# Allegro board RV1126B_mainboard.brd (continued)
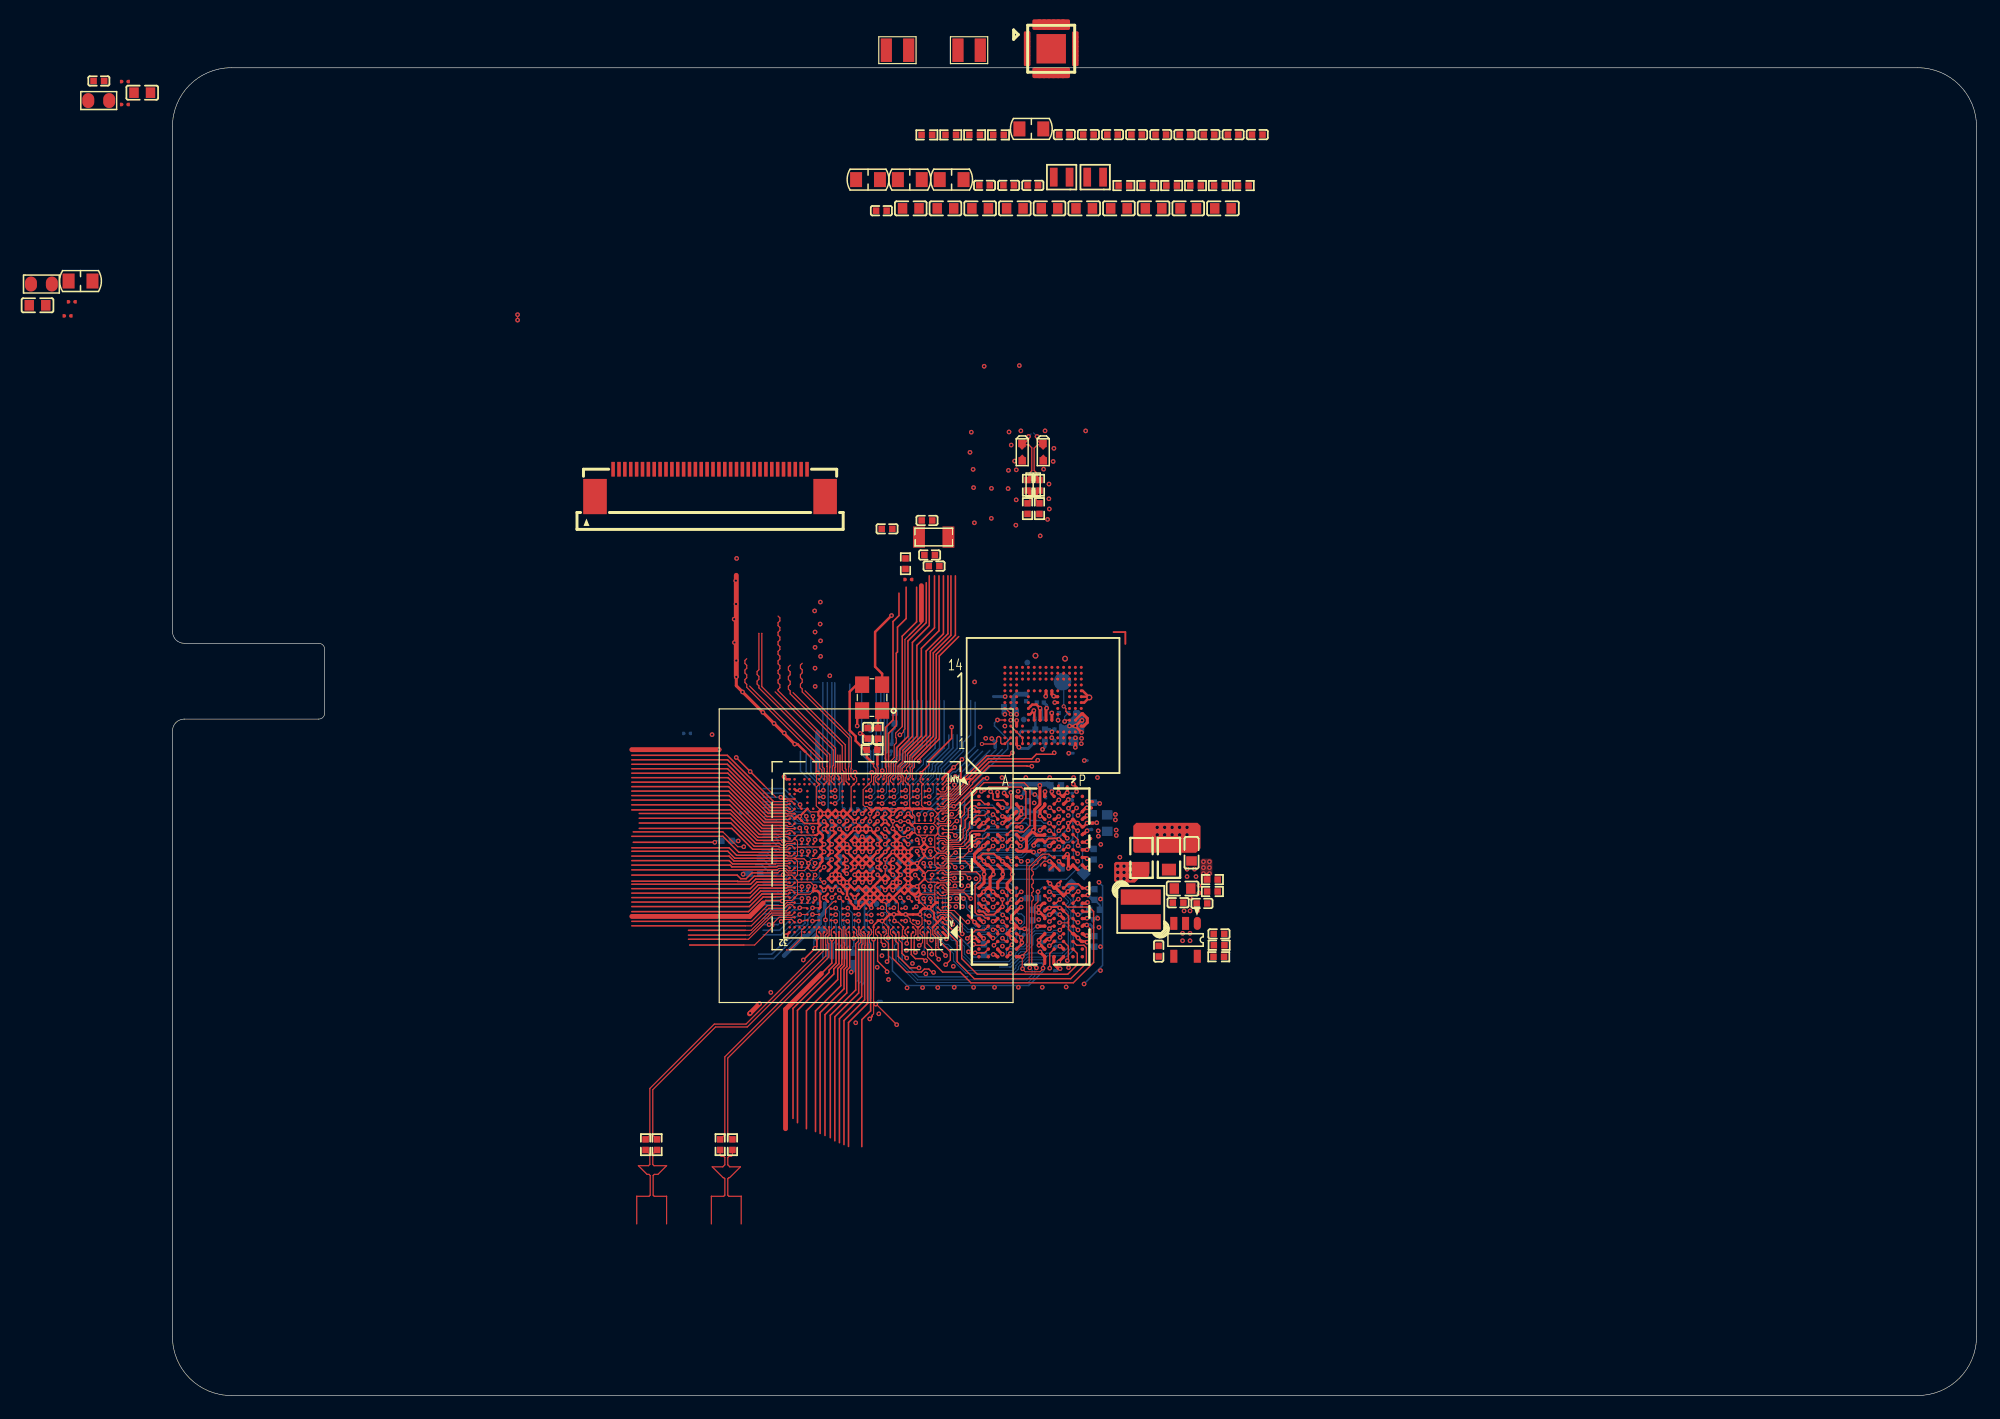
[diagram p0: board, top side]
## Routing (per net, layer and track width the routed paths; a pad name or vN(x,y) marks a point on that pad's centre or on a via; arc(x,y) is an arc through that point) (continued)
VCC3V3_RTC: length 9.8
  TOP w0.203: v1(61.95,49.53) U1000.2M3
  L3_POWER w0.356: v1(61.95,49.53) 61.92,49.56 61.92,51.93
  L3_POWER w0.406: 62.58,58.02 62.58,54.34 61.92,53.69 61.92,51.93
  BOTTOM w0.254: v1(61.95,49.53) 62.3,49.88 C1110.1
VCC3V3_SYS: length 14.4
  TOP w0.203: v1(60.65,48.88) U1000.2L5 ; v1(60.65,48.88) U1000.2L4 ; v1(60.65,48.88) U1000.2M5 v1(60.65,49.53)
  L3_POWER w0.33: v1(60.65,48.88) v1(60.65,49.53) 60.93,49.81 60.93,51.8
  L3_POWER w0.406: 61.24,57.95 61.24,55.68 61.59,55.33 61.59,54.24 60.93,53.58 60.93,51.8
  BOTTOM w0.203: 61.24,55.82 61.24,56.59 61.43,56.79 61.43,56.96
  BOTTOM w0.254: v1(60.65,48.88) 60.41,49.12 C1101.1 60.65,49.44 v1(60.65,49.53) 60.6,49.58 C1108.1 ; C1112.1 61.24,55.5 61.24,55.82
VCC_1V8: length 48.9
  TOP w0.089: U1000.2L2 v1(61.95,48.23)
  TOP w0.203: U1000.2C13 v1(55.45,43.03) U1000.2C12 56.1,43.03 v1(56.1,43.03) U1000.2C11 ; v1(76.83,57) v1(76.33,57) ; v1(76.83,57) U3.P3 ; v1(76.83,57) U3.P5 ; v1(61.95,48.23) U1000.2L3 ; U1000.2B9 v1(58.05,42.38) U1000.2B8 ; v1(58.7,49.53) U1000.2N7 ; v1(62.6,46.93) U1000.2J2 ; v1(56.1,48.88) U1000.2L11 v1(56.1,48.23) U1000.2K11 56.1,47.58 U1000.2J12 v1(56.1,46.93) U1000.2H12 v1(56.1,46.28) U1000.2G12 ; U1000.2J4 v1(60.65,46.93) ; v1(57.4,48.23) U1000.2L9
  L3_POWER w0.254: v1(55.45,43.03) 55.08,43.03 54.94,42.9 52.46,42.9 52.42,42.94
  L3_POWER w0.406: 52.42,42.94 45.56,42.94
  L4_S1 w0.33: 58.89,49.9 58.7,49.7 v1(58.7,49.53)
  L4_S1 w0.356: 58.89,52.18 58.89,49.9
  L4_S1 w0.406: 58.89,52.18 58.89,54.34 58.74,54.49 58.74,56.6 59.28,57.13
  BOTTOM w0.169: 59.25,38.49 59.25,39.38 58.89,39.74 58.89,41.79 C1508.1
  BOTTOM w0.203: C1300.1 62.8,47.14 v1(62.6,46.93)
  BOTTOM w0.254: C1603.1 U1000.2H12 ; U1000.2H12 v1(56.1,46.93) 55.86,47.17 C1606.1 C1602.1 55.86,48 v1(56.1,48.23) v1(56.1,48.88) 55.85,49.13 C1605.1 ; U1000.2H12 v1(56.1,46.28) ; C1402.1 61.95,48.16 v1(61.95,48.23) ; v1(60.65,46.93) 60.66,46.93 60.89,46.71 ; C1111.1 55.32,42.91 v1(55.45,43.03) ; v1(57.4,48.23) 57.07,48.56 C1800.1 ; v1(56.1,43.03) 56.1,43.11 C1901.1 ; C1810.1 58.7,49.57 v1(58.7,49.53) ; C1508.1 C1302.1 58.13,42.3 v1(58.05,42.38)
  BOTTOM w0.381: C1809.1 59.4,57.01 59.28,57.13
  BOTTOM w0.406: R70.1 72.62,59.72 71.85,59.72 71.56,59.43 C65.1 71.83,58.36 v1(71.83,58) ; 59.28,33.79 59.28,38.47 59.25,38.49
  vias: v1(77.35,56.46) v1(77.39,57.49)
VCC_3V3: length 32
  TOP w0.203: U3.P9 77.95,59.5 ; 77.95,59.5 v3(78.02,59.43) 77.58,59 U3.P8 ; 77.95,59.5 77.45,60 U3.P10 ; U3.F5 73.33,58.28 v1(73.29,58.32) 72.97,58 U3.E6 ; U1000.2E12 56.1,44.98 U1000.2F12 v1(56.1,45.63) ; v1(56.75,43.03) U1000.2B10 ; U1000.2K2 v1(62.6,48.23)
  TOP w0.254: U3.K9 75.03,59.5 v1(74.98,59.55) 74.83,59.7 U3.J10
  L3_POWER w0.251: 52.29,44.94 52.34,44.89 54.88,44.89 55.03,45.04 55.03,45.15 55.52,45.63 v1(56.1,45.63)
  L3_POWER w0.254: v1(62.6,48.23) 62.87,48.23 63.37,48.73 64.84,48.73 65.24,49.13 65.24,52.18 65.55,52.49 65.55,53.96
  L3_POWER w0.406: 52.29,44.94 44.8,44.94
  BOTTOM w0.203: v1(73.29,58.32) 73.35,58.26 C70.1 73.42,57.56 C74.1 73.29,56.59 72.22,56.59 72.1,56.47 72.1,56.13 ; C1403.1 62.61,48.22 v1(62.6,48.23)
  BOTTOM w0.254: v1(56.75,43.03) 56.75,43.08 C1902.1 ; C1700.1 55.99,45.74 v1(56.1,45.63) 55.82,45.36 C1701.1
VCC_DDR: length 52.4
  TOP w0.152: U3300.N10 75.87,43.21 76.22,43.56 77.07,43.56 U3300.N12
  TOP w0.203: U1000.2C4 v1(61.3,43.68) ; U1000.2C4 v1(60.65,43.03) U1000.2C5 ; U1000.2C4 v1(61.3,43.03) U1000.2C3 ; v1(61.3,43.68) U1000.2D3 ; v1(61.3,43.68) U1000.2C3 ; U3300.N12 77.44,43.19 77.82,43.19 77.82,43.19 v1(77.85,43.19) ; v1(75.42,45.48) 75.74,45.16 U3300.K10 ; U1000.2C3 61.9,43.63 v1(61.9,43.68) 61.9,43.73 U1000.2D3 ; U1000.2D3 v1(61.95,44.33) U1000.2E3 61.95,44.98 U1000.2F3 ; U3300.A9 74.82,51.21 v1(74.82,51.42)
  TOP w0.254: U3300.N3 70.22,43.69 70.65,44.12 v1(70.65,44.38) 70.65,44.73 U3300.K3 ; 68.96,44.82 69.06,44.72 v1(69.06,44.38) 69.06,43.65 U3300.N1 ; 68.96,44.82 U3300.K1 68.27,45.51 68.24,45.51 68.24,46.08 U3300.H1 68.62,46.46 68.7,46.46 v1(69.02,46.78) 69.34,47.11 U3300.G2 ; 68.96,44.82 68.96,44.82 69.03,44.75 ; 73.3,48.16 73.37,48.22 73.37,49.89 73.8,50.33 v1(73.8,51.95) ; 73.3,48.16 72.67,47.53 72.67,47.42 ; 73.3,48.16 73.27,48.16 v1(73.25,48.14) 73.25,47.99 73.53,47.71 74.17,47.71 U3300.F8 ; 72.41,46.34 72.67,46.6 72.67,47.42 72.67,47.42 ; 72.41,46.34 71.94,46.34 U3300.H5 ; 72.41,46.34 73.12,46.34 73.2,46.26 v1(73.27,46.26) ; v1(77.86,41.98) 77.78,41.91 77.42,41.91 U3300.R12 ; U3300.K12 77.65,44.93 77.87,44.93 v1(77.88,44.92) ; v1(70.76,51.29) 70.76,51.27 U3300.A4 ; v1(72.13,40.32) 72.12,40.32 72.11,40.34 72.09,40.34 U3300.U5 ; U3300.U8 74.22,40.74 73.87,41.09 73.79,41.09 73.77,41.11 v1(73.71,41.11) v1(73.71,41.58) 73.76,41.58 74.09,41.91 U3300.R8 ; 72.67,47.42 72.64,47.38 72.24,47.38 72.22,47.36 v1(72.21,47.36) 72.21,47.36 72.17,47.41 72.17,47.41 U3300.F5 ; U3300.H8 73.87,46.46 v1(73.75,46.34) ; v1(75.53,36.35) 75.42,36.35 75.39,36.37 75.37,36.37 74.99,36.75 74.99,37.33 U3300.AB9 ; v1(72.22,42.23) 72.14,42.23 U3300.R5 ; U3300.R1 68.87,41.66 68.94,41.66 68.99,41.61 v1(69.02,41.61) 69.04,41.58 69.09,41.58 U3300.T2 ; U3300.H12 77.69,46.46 77.7,46.47 v1(77.82,46.47) ; v1(71.3,37.64) U3300.AB4
  L3_POWER w0.089: 60.16,39.99 60.07,40.09 60.07,41.93 60.16,42.02 ; 71.34,36.81 71.35,36.83
  L3_POWER w0.254: 60.65,43.06 61.27,43.06 v1(61.3,43.03) 61.3,43.03
  L3_POWER w0.381: v1(71.3,37.64) 71.35,37.59 71.35,36.7 71.34,36.69
  BOTTOM w0.152: C3327.1 77.33,41.79 77.53,41.98 v1(77.86,41.98)
  BOTTOM w0.203: C3326.1 73.75,46.21 v1(73.75,46.34)
  BOTTOM w0.254: C3328.1 75.26,36.18 75.42,36.35 v1(75.53,36.35) ; C3321.1 78.26,43.11 78.2,43.17 77.88,43.17 v1(77.85,43.19) ; C3326.1 73.51,46.03 v1(73.27,46.26) ; v1(69.02,41.61) 69.04,41.61 69.1,41.66 69.12,41.66 C3330.1 ; v1(73.71,41.11) 73.4,41.11 C3322.1 73.39,41.58 v1(73.71,41.58) ; v1(72.21,47.36) 72.22,47.36 72.22,47.45 C3329.1 72.9,48.14 v1(73.25,48.14) ; 71.48,52.05 71.37,52.05 70.76,51.45 v1(70.76,51.29) ; v1(72.22,42.23) 72.34,42.35 C3324.1 ; 74.82,51.63 v1(74.82,51.42) ; v1(69.02,46.78) 69.14,46.78 C3331.1 ; v1(77.82,46.47) 77.89,46.54 C3323.1 ; C3325.1 75.42,45.12 v1(75.42,45.48)
  BOTTOM w0.406: v1(77.88,44.92) 77.88,44.8 C3319.1 77.53,44.45 ; 71.48,52.05 73.68,52.05 73.78,51.95 v1(73.8,51.95) 73.83,51.95 73.93,52.05 74.4,52.05 74.4,52.05 74.6,52.05 C3320.1 74.82,51.83 74.82,51.63
  vias: v3(80.43,45.07) v3(80.43,44.54) v3(80.43,44) v3(80.97,45.07) v3(80.97,44.54) v3(80.97,44) v3(81.5,45.07) v3(81.5,44.54) v3(81.5,44)
VCCIO_SD: length 0.9
  TOP w0.203: v1(57.4,48.92) 57.4,48.88 U1000.2L10
  BOTTOM w0.254: v1(57.4,48.92) 57.38,48.92 57.13,49.17 C1301.1
VDD0V9_PMUIO: length 0.9
  TOP w0.203: v1(60.65,47.58) U1000.2K5
  BOTTOM w0.254: v1(60.65,47.58) 60.95,47.28 C1100.1
VDD1_1V8_DDR: length 8.9
  TOP w0.102: R3307.2 88.04,44.24 v1(88.23,44.43) v1(87.72,44.43)
  TOP w0.254: U3300.G9 74.94,47.11 v1(74.62,46.78) ; v1(71.42,41.58) 71.34,41.58 U3300.T4 ; v1(71.42,47.36) 71.39,47.33 71.24,47.33 U3300.G4 ; v1(77.82,40.63) 77.79,40.61 U3300.U12 ; U3300.F12 77.52,47.86 77.6,47.86 v1(77.82,48.08) ; v1(68.21,47.67) 68.3,47.76 U3300.F1 ; v1(74.62,40.93) 74.69,40.93 U3300.T9 ; U3300.U1 68.64,40.61 68.93,40.32 v1(69.02,40.32)
  BOTTOM w0.203: v1(77.82,48.08) 77.93,48.2 C3338.1 ; v1(77.82,40.63) 78.59,40.63 78.71,40.75 ; v1(74.62,46.78) 74.58,46.82 C3334.1
  BOTTOM w0.254: C3333.1 78.66,40.75 78.71,40.75 78.71,40.65 v1(78.73,40.62) ; C3337.1 67.83,47.31 68.19,47.67 v1(68.21,47.67) ; v1(74.62,40.93) 74.54,40.86 C3335.1 ; C3336.1 68.88,40.46 v1(69.02,40.32)
  vias: v1(78.77,48.08) v1(78.78,47.62) v1(80.29,48.14) v1(80.31,47.69) v1(87.72,45.45) v1(87.72,44.94) v1(88.23,45.45) v1(88.23,44.94)
VDD_0V9: length 25.3
  TOP w0.203: U1000.2K12 v1(55.45,48.23) U1000.2L12 v1(55.45,48.88) ; U1000.2B12 v1(55.45,42.38) U1000.2A12 ; U1000.2M2 v1(62.6,49.53) 62.92,49.21 U1000.2M1 ; v1(60.65,48.23) U1000.2K4
  L3_POWER w0.089: 59.15,49.77 59.04,49.66 59.04,49.4 59.02,49.38 59.02,49.32 ; 60.29,49.26 60.29,49.39 60.31,49.41 60.31,49.82 ; 59.02,48.5 59.03,48.49 59.03,48 59.02,47.99 ; 60.31,48.64 60.31,49.01 60.29,49.03 60.29,49.07
  L4_S1 w0.356: v1(55.45,48.88) 55.37,48.81 52.74,48.81 51.71,49.84
  L4_S1 w0.406: v1(55.45,48.23) v1(55.45,48.88) ; 51.71,49.84 45,49.84
  BOTTOM w0.203: v1(62.6,49.53) 62.96,49.89 C1401.1
  BOTTOM w0.254: v1(55.45,48.88) 55.22,48.65 C1604.1 ; v1(60.65,48.23) 60.69,48.23 C1105.1 ; v1(55.45,48.23) 55.14,47.92 C1600.1
  BOTTOM w0.305: C1900.1 55.5,41.9 55.5,41.27 C1702.1
  BOTTOM w0.381: C1702.1 55.51,41.26 55.51,41.18 55.06,40.73 55.06,40.19 53.97,39.1 53.69,39.1 52.04,37.45
VDD_CPU: length 23.1
  TOP w0.203: U1000.2H7 v1(58.7,46.93) ; U1000.2H7 59.35,46.93 v1(59.35,46.93) ; U1000.2H7 v1(58.7,46.28) U1000.2H8 ; U1000.2H7 v1(59.35,46.28) U1000.2H6 v1(59.35,46.93) ; v1(58.7,46.93) U1000.2H8 ; v1(58.7,46.93) U1000.2J7 ; v1(58.7,46.93) U1000.2J8 ; U1000.2H8 v1(58.05,46.93) ; U1000.2H8 58.07,46.3 v1(58.07,46.27) ; v1(59.35,46.93) U1000.2J6 59.35,47.58 U1000.2J7 ; v1(59.35,46.93) U1000.2J7 ; U1000.2J8 58.05,47.58 U1000.2J9 v1(58.05,46.93) ; U1000.2J8 v1(58.05,46.93) ; U1000.2J8 v1(58.7,47.58) U1000.2J7
  L3_POWER w0.089: 54.88,46.01 54.85,46.03 54.83,46.01 53.39,46.01 53.31,46.09 ; 57.29,48.55 58.34,48.55 ; 55.91,45.96 55.92,45.97 56.47,45.97
  L3_POWER w0.406: 54.72,48.77 54.7,48.79 52.66,48.79 52.65,48.77
  L3_POWER w0.457: 54.9,46.84 54.87,46.82 53,46.82 52.97,46.84 ; 54.76,47.88 54.69,47.81 53.08,47.81 53.01,47.88
  L3_POWER w0.635: 55.31,47.58 55.36,47.53 58.65,47.53
  BOTTOM w0.254: v1(48.14,47.22) 47.63,47.22 47.62,47.23 C1004.1
VDD_LOGIC: length 7.1
  TOP w0.089: 60.65,46.28 v1(60.65,46.28)
  TOP w0.203: v1(60.65,46.28) U1000.2G5 v1(60,45.63) U1000.2F5 v1(60,44.98) U1000.2E5 ; U1000.2H4 60.65,46.28 ; U1000.2G10 57.34,45.69 v1(57.34,45.58) U1000.2F10 v1(57.4,44.98) U1000.2E10 57.3,44.43 v1(57.37,44.43)
  BOTTOM w0.254: v1(60,45.63) 60.65,46.28 v1(60.65,46.28) ; C1012.1 56.79,45.48 C1007.1
  BOTTOM w0.406: v1(48.56,44.38) 48.58,44.38 48.63,44.43 C1011.1
VDD_NPU: length 8
  TOP w0.203: U1000.2D8 v1(58.7,43.68) U1000.2D7 ; U1000.2D8 v1(58.7,44.33) ; U1000.2D8 v1(58.05,43.68) ; U1000.2D8 v1(58.05,44.33) U1000.2E8 v1(58.7,44.33) ; v1(59.35,44.33) U1000.2D6 v1(59.35,43.68) U1000.2D7 ; v1(59.35,44.33) U1000.2E7 v1(58.7,44.33) ; v1(59.35,44.33) U1000.2E6 ; v1(59.35,44.33) U1000.2D7 ; U1000.2D7 v1(58.7,44.33)
  L3_POWER w0.089: 55.78,43.16 55.78,42.9
  BOTTOM w0.406: v1(57.75,36.05) 57.88,36.18 C1017.1
VDDI: length 2.6
  TOP w0.203: U3.C2 U3.C1 71.83,55.39 v1(72.02,55.19)
  BOTTOM w0.254: v1(72.02,55.19) 72.12,55.09 72.81,55.09 73.42,55.7 C79.1
VDDQ_DDR: length 28.9
  TOP w0.102: v3(86.33,47.74) 86.71,47.36 C3304.1
  TOP w0.127: U3300.W5 71.89,39.31 v1(72.22,38.98) ; v1(68.22,48.68) 68.24,48.68 68.3,48.74
  TOP w0.203: v1(72.22,38.98) 72.22,38.98 72.22,38.41 72.22,38.41 ; v1(61.3,44.33) U1000.2E4 v1(61.3,44.98) U1000.2F4 v1(61.3,45.63) ; v1(73.82,49.33) 73.84,49.31 73.97,49.31 U3300.D8 ; 72.22,38.41 72.22,38.44 72.24,38.46 72.24,38.49 72.27,38.51 v1(72.27,38.56) ; 72.22,38.41 U3300.AA5
  TOP w0.254: v1(69.02,38.92) 68.98,38.92 68.62,39.28 U3300.W1 ; 68.3,48.74 U3300.D1 ; U3300.B10 75.84,50.36 v1(76.22,50.73) ; U3300.B5 71.82,50.31 72.09,50.03 v1(72.22,50.03) v1(72.22,49.49) 72.22,49.46 U3300.D5 ; U3300.AA10 75.57,38.26 v1(75.5,38.26) ; v1(70.62,47.36) U3300.F3 ; v1(77.79,39.16) 77.79,39.16 77.64,39.16 77.49,39.31 U3300.W12 ; U3300.W8 73.73,38.82 v1(73.73,38.76) v1(73.73,38.33) 73.89,38.33 U3300.AA8 ; v1(69.82,40.37) 69.98,40.37 U3300.U3 ; U3300.D12 77.56,49.2 77.63,49.2 v1(77.82,49.38) ; U3300.B8 74.22,50.23 73.82,49.83 v1(73.82,49.33) ; v1(76.13,47.45) U3300.F10 ; U3300.B3 70.54,50.03 v1(70.62,50.03) ; U3300.AA3 70.22,37.97 70.61,37.57 v1(70.62,37.57) ; v1(75.5,40.94) 75.5,40.93 U3300.U10
  BOTTOM w0.203: C3307.1 78.01,49.57 v1(77.82,49.38) ; v1(73.82,49.33) 73.73,49.42 C3313.1 ; v1(68.22,48.68) 68.01,48.47 C3311.1
  BOTTOM w0.254: v1(72.27,38.56) 72.22,38.61 v1(72.22,38.98) 72.44,39.21 C3312.1 ; 73.37,51.23 73.2,51.23 R3300.1 ; 73.37,51.23 v1(73.37,51.17) ; 73.37,51.23 73.69,50.91 R3301.1 ; 72.81,49.71 72.58,49.49 72.58,49.49 ; 72.81,49.71 72.83,49.69 C3313.1 ; 72.81,49.71 72.48,50.03 ; v1(75.5,40.94) 75.41,40.94 75.39,40.96 75.32,40.96 75.07,41.21 C3314.1 ; C3316.1 75.07,38.15 75.05,38.17 75.14,38.26 v1(75.5,38.26) ; 72.48,50.03 v1(72.22,50.03) 72.05,50.03 71.79,49.78 ; 72.48,50.03 72.48,50 C3306.1 72.58,49.49 ; 71.79,49.78 C3309.1 71.52,50.03 v1(70.62,50.03) ; 71.79,49.78 72.09,49.49 v1(72.22,49.49) 72.58,49.49 ; C3317.1 70.5,47.36 v1(70.62,47.36) ; v1(77.79,39.16) 78.4,39.16 78.45,39.11 C3305.1 ; v1(76.22,50.73) 76.53,50.73 C3315.1 ; 74.05,38.56 73.82,38.33 v1(73.73,38.33) ; 74.05,38.56 74.05,38.56 73.85,38.76 v1(73.73,38.76) ; 74.05,38.56 C3310.1 ; v1(69.02,38.92) 69.02,38.44 C3308.1
  vias: v3(83.79,48.37) v3(83.79,47.74) v3(84.42,48.37) v3(84.42,47.74) v3(85.06,48.37) v3(85.06,47.74) v3(85.69,48.37) v3(85.69,47.74) v3(86.33,48.37)
AUDIO_ADC0_VCM: length 0.9
  TOP w0.203: v1(60,49.53) U1000.2M6
  BOTTOM w0.254: C1803.1 60.01,49.55 v1(60,49.53)
AUDIO_ADC0_VREF: length 0.8
  TOP w0.203: U1000.2M7 v1(58.7,48.88)
  BOTTOM w0.254: C1804.1 58.46,48.65 v1(58.7,48.88)
AUDIO_ADC1_VCM: length 0.8
  TOP w0.203: v1(60,48.88) U1000.2L6
  BOTTOM w0.254: v1(60,48.88) 59.98,48.88 C1807.1
AUDIO_ADC1_VREF: length 1
  TOP w0.203: v1(58.05,49.53) U1000.2N8
  BOTTOM w0.254: v1(58.05,49.53) 58.05,49.6 C1808.1
BT_RST: length 7.5
  TOP w0.089: v1(63.38,50.4) 63.32,50.46 U1000.1AA4
  BOTTOM w0.089: v1(63.38,50.4) 63.97,50.99 63.97,51.93 64.74,52.69 64.74,53.03 64.76,53.05
  BOTTOM w0.114: 64.91,53.2 64.76,53.05
  BOTTOM w0.127: 66.41,56.25 66.41,55.12 64.91,53.62 64.91,53.2
BT_WAKE_HOST: length 9
  TOP w0.127: v1(63.38,51.53) 63.31,51.46 U1000.1AC4
  BOTTOM w0.089: 64.38,53.43 64.32,53.37 64.32,52.85 63.38,51.92 v1(63.38,51.53)
  BOTTOM w0.114: 64.4,53.45 64.38,53.43
  BOTTOM w0.127: 64.4,53.45 64.4,53.88 65.65,55.13 65.65,59.17
CIF_CLKIN_M0: length 14
  TOP w0.089: U1000.U32 52.43,46.25 52.22,46.25
  TOP w0.127: 52.22,46.25 48.19,46.25 46.83,47.61 39.08,47.61
CIF_CLKOUT_M0: length 14.2
  TOP w0.089: U1000.U31 52.69,45.93 52.36,45.93 52.29,46 52.22,46
  TOP w0.127: 39.08,46.63 47.36,46.63 48,46 52.22,46
CIF_D0_M0: length 3.9
  TOP w0.089: U1000.1T23 53.52,48.16 53.37,48.31 v1(53.37,48.32)
  BOTTOM w0.127: 50.26,49.28 52.01,49.28 52.98,48.32 v1(53.37,48.32)
CIF_D1_M0: length 14.8
  TOP w0.089: 52.51,49.11 U1000.AD32 52.45,49.05 52.22,49.05
  TOP w0.127: 39.08,52.22 47.3,52.22 50.47,49.05 52.22,49.05
CIF_D2_M0: length 14.7
  TOP w0.089: U1000.AC32 52.41,48.79 52.22,48.79
  TOP w0.127: 39.08,51.84 47.32,51.84 50.37,48.79 52.22,48.79
CIF_D3_M0: length 15.2
  TOP w0.089: U1000.AC31 52.69,48.45 52.38,48.45 52.29,48.54 52.22,48.54
  TOP w0.127: 52.22,48.54 50.26,48.54 47.34,51.46 39.08,51.46
CIF_D4_M0: length 15
  TOP w0.089: U1000.AB31 52.29,48.27 52.28,48.28 52.22,48.28
  TOP w0.127: 52.22,48.28 50.15,48.28 47.36,51.08 39.08,51.08
CIF_D5_M0: length 15.1
  TOP w0.089: 52.22,48.03 52.29,48.03 52.35,48.09 52.69,48.09 52.93,47.85 U1000.AA31
  TOP w0.127: 39.08,50.7 47.39,50.7 50.06,48.03 52.22,48.03
CIF_D6_M0: length 14.5
  TOP w0.089: 52.22,47.78 52.44,47.78 U1000.AA32
  TOP w0.127: 52.22,47.78 49.93,47.78 47.41,50.29 39.08,50.29
CIF_D7_M0: length 14.5
  TOP w0.089: 51.4,47.52 51.58,47.52 51.63,47.57 52.37,47.57 U1000.Y32
  TOP w0.127: 39.08,49.86 47.49,49.86 49.83,47.52 51.4,47.52
CIF_D8_M1: length 14.2
  TOP w0.089: 51.66,47.01 51.82,46.85 52.13,46.85 52.29,47.01 U1000.W31
  TOP w0.127: 39.72,49.15 47.49,49.15 49.62,47.01 51.66,47.01
CIF_D9_M0: length 5.5
  TOP w0.089: U1000.1P21 54.69,47.13 54.69,47.31 v1(54.68,47.32)
  BOTTOM w0.089: v1(54.68,47.32) 54.02,47.98 52.72,47.98 51.79,48.9 51.4,48.9
  BOTTOM w0.127: 50.26,48.9 51.4,48.9
CIF_D10_M0: length 4.8
  TOP w0.089: U1000.1P22 54.13,47.06 54.13,47.31 v1(54.12,47.32)
  BOTTOM w0.089: 51.4,48.52 51.65,48.52 52.49,47.68 53.75,47.68 v1(54.12,47.32)
  BOTTOM w0.127: 50.26,48.52 51.4,48.52
CIF_D11_M0: length 4
  TOP w0.089: U1000.1P23 53.56,47 53.56,47.31 v1(53.55,47.32)
  BOTTOM w0.089: v1(53.55,47.32) 52.46,47.32 51.65,48.12 51.4,48.12
  BOTTOM w0.127: 50.26,48.12 51.4,48.12
CIF_D12_M0: length 5.6
  TOP w0.089: U1000.1M21 54.69,46.13 54.69,46.31 v1(54.68,46.32)
  BOTTOM w0.089: v1(54.68,46.32) 54.07,46.92 52.49,46.92 52.42,46.85 51.78,46.85 51.53,47.1 51.53,47.3 51.4,47.43
  BOTTOM w0.127: 50.26,47.61 51.22,47.61 51.4,47.43
CIF_D13_M0: length 4.7
  TOP w0.089: U1000.1M22 54.13,46.06 54.13,46.31 v1(54.12,46.32)
  BOTTOM w0.089: v1(54.12,46.32) 53.76,46.67 52.76,46.67 52.7,46.61 51.64,46.61 51.4,46.85
  BOTTOM w0.127: 51.4,46.85 51.02,47.23 50.26,47.23
CIF_D14_M0: length 3.9
  TOP w0.089: v1(53.55,46.32) 53.56,46.31 53.56,46 U1000.1M23
  BOTTOM w0.089: 51.4,46.34 51.42,46.32 v1(53.55,46.32)
  BOTTOM w0.127: 51.4,46.34 51.37,46.34 50.86,46.85 50.26,46.85
CIF_D15_M0: length 5.5
  TOP w0.089: v1(54.68,45.32) 54.69,45.31 54.69,45.13 U1000.1K21
  BOTTOM w0.089: v1(54.68,45.32) 54.04,45.96 51.4,45.96
  BOTTOM w0.127: 50.13,46.47 50.71,46.47 51.21,45.96 51.4,45.96
CIF_HSYNC_M0: length 14.3
  TOP w0.089: U1000.V31 52.93,46.59 52.69,46.83 52.39,46.83 52.2,46.64 51.72,46.64 51.61,46.76
  TOP w0.127: 39.72,48.74 47.52,48.74 49.5,46.76 51.61,46.76
CIF_VSYNC_M0: length 13.6
  TOP w0.089: U1000.V32 52.39,46.47 51.63,46.47 51.59,46.51 51.53,46.51
  TOP w0.127: 39.72,48.28 47.59,48.28 49.37,46.51 51.53,46.51
CLK_32K_OUT: length 17.8
  TOP w0.089: U1000.AL12 60.91,52.65 61.15,52.89 61.15,54.05 61.41,54.32 61.41,55.38 61.59,55.56 61.59,55.97 61.54,56.02 61.54,56.4 62.1,56.96
  TOP w0.127: 63.31,68.82 63.31,65.87 62.1,64.65 62.1,56.96
CLK_OUT_ETHERNET_M1/LCDC_D17: length 4.4
  TOP w0.089: v1(54.12,43.34) 54.13,43.33 54.13,43.06 U1000.1F22
  BOTTOM w0.089: v1(54.12,43.34) 53.78,43.01 52.35,43.01 51.75,42.4 51.53,42.4
  BOTTOM w0.127: 51.53,42.4 50.51,42.4
CLK_REF: length 16.5
  TOP w0.089: 60.67,53.48 60.75,53.4 60.75,53.02 60.55,52.82 60.55,52.52 U1000.AM13
  TOP w0.127: 61.82,68.31 61.82,66.41 61.31,65.9 61.31,57.52 60.67,56.88 60.67,53.48
DDR_RZQ: length 1
  TOP w0.089: U1000.2A2 61.95,42.38 v1(61.92,42.38)
  BOTTOM w0.089: R1200.1 62.12,42.21 61.95,42.38 v1(61.92,42.38)
EMMC_CLK: length 19
  TOP w0.089: U1000.AF2 65.73,49.95 66.1,50.32 66.14,50.32 66.32,50.5 66.53,50.5 68.07,52.05 68.07,52.18
  TOP w0.102: U3.M6 76.26,58 76.02,58.24 76.02,58.48 v2(75.83,58.67)
  TOP w0.127: 68.07,52.18 69.5,53.61 72.7,53.61 72.73,53.58 v1(73.12,53.58)
  L4_S1 w0.089: v2(75.83,58.67) 75.53,58.37 75.53,58.28 74.9,57.64 74.64,57.64 73.12,56.12 v1(73.12,53.58)
  BOTTOM w0.102: TP25.1 75.83,60.68 v2(75.83,58.67)
  vias: v1(68.72,56.92) v1(69.2,55.95)
EMMC_CMD: length 15.8
  TOP w0.089: 67.53,52.18 67.53,52.01 66.38,50.86 66.18,50.86 66,50.68 65.84,50.68 U1000.AG1
  TOP w0.102: U3.M5 76.02,57.5 v1(75.91,57.39)
  TOP w0.127: v1(75.02,54.72) 74.9,54.59 73.5,54.59 73.12,54.21 69.39,54.21 67.53,52.36 67.53,52.18
  L4_S1 w0.104: v1(75.02,54.72) 75.66,55.36 75.66,57.01 75.79,57.13 75.79,57.26 v1(75.91,57.39)
  BOTTOM w0.102: v1(75.91,57.39) 75.91,57.81 R75.2
EMMC_D0: length 4.4
  TOP w0.127: v1(65.99,52.45) 65.93,52.45 U1000.AL1
  BOTTOM w0.114: v1(65.99,52.45) 65.99,52.68 66.41,53.1 66.64,53.1
  BOTTOM w0.127: 68.54,55 66.64,53.1
EMMC_D1: length 10
  TOP w0.089: U1000.1V3 63.52,49.43 v1(63.48,49.47)
  BOTTOM w0.127: v1(63.48,49.47) 64.05,50.04 64.5,50.04 65.63,51.17 66.77,51.17 70.61,55.01
  vias: v1(70.83,57)
EMMC_D2: length 13.5
  TOP w0.089: v1(64.04,49.47) 64.02,49.45 U1000.1V2 ; U3.A5 70.81,57.52 v1(70.2,57.52)
  BOTTOM w0.127: v1(64.04,49.47) 64.39,49.82 64.79,49.82 65.75,50.78 66.79,50.78 71.07,55.06 71.07,55.88 69.94,57.01 69.94,57.26 v1(70.2,57.52)
EMMC_D3: length 10.3
  TOP w0.089: U1000.AK2 65.35,51.39 65.7,51.39 66.02,51.71 v1(66.02,51.72)
  TOP w0.102: v2(68.87,55.47) 69.92,55.47 70.13,55.68 70.13,55.98 70.26,56.11 70.36,56.11 70.47,55.99 70.47,55.56 70.57,55.47 70.8,55.47 U3.A1 U3.B2
  BOTTOM w0.127: 70.07,54.98 66.73,51.63 66.11,51.63 v1(66.02,51.72)
EMMC_D4: length 4.9
  TOP w0.089: U1000.AK1 65.53,51.71 65.93,52.1 66.16,52.1 66.56,52.5 66.56,52.62 66.61,52.67 v1(66.61,52.7)
  BOTTOM w0.127: v1(66.61,52.7) 66.78,52.7 68.92,54.84
EMMC_D5: length 8
  TOP w0.089: U1000.AJ2 65.77,51.21 65.96,51.39 66.16,51.39 66.53,51.77 v1(66.53,51.99)
  TOP w0.102: U3.B4 71.33,57 U3.C3 U3.D2 U3.D1
  BOTTOM w0.127: 69.56,54.94 66.64,52.01 66.56,52.01 v1(66.53,51.99)
EMMC_D6: length 2.9
  TOP w0.089: 66.97,52.18 66.97,51.95 66.23,51.21 66.03,51.21 65.85,51.03 65.35,51.03 U1000.AH2
  TOP w0.114: 71.32,57.5 v1(71.33,57.5)
  TOP w0.127: 66.97,52.51 66.97,52.18
EMMC_D7: length 13.9
  TOP w0.089: U1000.AH1 65.6,50.85 65.92,50.85 66.1,51.04 66.31,51.04 67.27,52 67.27,52.18
  TOP w0.102: v2(71.33,58) 71.33,58.06 70.89,58.5 U3.A7
  TOP w0.127: 67.27,52.18 67.27,52.46 69.29,54.47 71.22,54.47 v1(71.47,54.72)
  L4_S1 w0.104: v2(71.33,58) 71.33,58.26 71.47,58.4 72.23,58.4 72.36,58.28 72.36,57.01 71.72,56.37 71.72,55.74 71.47,55.48 v1(71.47,54.72)
EPHY_RST_3V3IO/LCDC_D12: length 5.3
  TOP w0.089: v1(54.12,44.32) 54.02,44.22 U1000.1H22
  BOTTOM w0.089: v1(54.12,44.32) 53.74,44.69 53.56,44.69 53.56,44.7 51.41,44.7 51.4,44.69
  BOTTOM w0.127: 51.4,44.69 50.64,44.69 50.13,45.2 49.62,45.2
FEPHY_REXT: length 2.9
  TOP w0.089: v1(55.56,40.5) 55.56,41.36 56.27,42.06 U1000.2A11
  BOTTOM w0.152: R1900.1 55.56,39.88 v1(55.56,40.5)
FEPHY_RXN: length 21.9
  TOP w0.089: U1000.B24 55.87,39.2 55.76,39.09 55.76,38.55 55.85,38.46
  TOP w0.097: R6503.1 47.24,22.21 47.24,28.73 55.85,37.33 55.85,38.46
FEPHY_RXP: length 21.9
  TOP w0.089: U1000.B25 55.69,39.63 55.69,39.33 55.58,39.21 55.58,38.38 55.6,38.36
  TOP w0.097: 55.6,38.36 55.6,37.43 47,28.83 47,22.2 R6502.1
FEPHY_TXN: length 25.4
  TOP w0.089: U1000.A25 55.36,39.36 55.36,37.83 55.13,37.6
  TOP w0.097: R6501.1 40.87,22.17 40.87,26.04 46.2,31.38 48.91,31.38 55.13,37.6
FEPHY_TXP: length 25.5
  TOP w0.089: 55.03,37.85 55.18,38 55.18,39.3 U1000.A26
  TOP w0.097: 55.03,37.85 48.8,31.62 46.1,31.62 40.62,26.14 40.62,22.17 R6500.1
FSPI_CLK/EMMC_RSTN: length 15.4
  TOP w0.089: U1000.AG2 65.35,50.13 65.65,50.13 66.02,50.5 66.07,50.5 66.25,50.68 66.45,50.68 67.78,52.01 67.78,52.18
  TOP w0.127: 67.78,52.18 67.78,52.25 69.49,53.96 73.5,53.96 v1(73.63,54.09)
  L4_S1 w0.104: v1(75.35,57.5) 74.86,57.01 74.52,57.01 73.63,56.12 v1(73.63,54.09)
  BOTTOM w0.102: C67.1 75.35,58.05 v1(75.35,57.5)
FSPI_CSN: length 12.3
  TOP w0.089: v1(64.61,49.47) 64.52,49.39 U1000.1V1
  L6_S2 w0.091: v1(64.61,49.47) 64.61,50 64.75,50.15 64.75,52.33 69.67,57.24 69.67,59.17
FSPI_D0: length 14.4
  TOP w0.089: v1(64.08,48.32) 64.08,48.01 U1000.1T2
  L6_S2 w0.091: 70.43,59.17 70.43,56.61 66.9,53.07 66.01,53.07 65.02,52.08 65.02,49.26 v1(64.08,48.32)
FSPI_D1: length 15.9
  TOP w0.089: U1000.1P3 63.52,47.15 v1(63.36,47.32)
  L6_S2 w0.091: v1(63.36,47.32) 63.62,47.58 63.62,47.58 64,47.97 64.78,47.97 65.5,48.69 65.5,50.02 67.4,51.93 67.4,52.54 71.09,56.22 71.09,59.17
FSPI_D2: length 14.2
  TOP w0.089: v1(63.51,48.32) 63.51,47.97 U1000.1T3
  L6_S2 w0.091: 69.31,59.17 69.31,57.39 63.97,52.05 63.97,50.15 63.64,49.82 63.23,49.82 63.09,49.68 63.09,48.74 v1(63.51,48.32)
FSPI_D3: length 13.8
  TOP w0.089: U1000.1T1 64.64,48.08 v1(64.64,48.32)
  L6_S2 w0.091: 70.82,59.17 70.82,56.35 67.04,52.58 67.04,51.97 65.24,50.17 65.24,48.92 v1(64.64,48.32)
GMAC_CLK_M1/LCDC_D11: length 6.5
  TOP w0.089: v1(55.45,44.98) U1000.2E13
  BOTTOM w0.089: 51.53,43.55 51.91,43.55 52.32,43.95 54.79,43.95 55.02,44.18 55.02,44.56 v1(55.45,44.98)
  BOTTOM w0.127: 51.53,43.55 50.26,43.55
GMAC_MDC_M1/LCDC_D14: length 14.4
  TOP w0.089: U1000.J31 52.93,42.81 52.69,43.05 52.39,43.05 52.29,42.95 52.22,42.95
  TOP w0.127: 39.08,42.01 49.11,42.01 50.05,42.95 52.22,42.95
GMAC_MDIO_M1/LCDC_D13: length 5.9
  TOP w0.089: U1000.1H21 54.52,44.16 v1(54.68,44.32)
  BOTTOM w0.089: v1(54.68,44.32) 54.02,44.97 53.15,44.97 53.05,45.07 51.4,45.07
  BOTTOM w0.127: 51.4,45.07 50.84,45.07 50.34,45.58 49.75,45.58
GMAC_RXCLK_M1/LCDC_D23: length 5.4
  TOP w0.089: v1(54.68,42.32) 54.69,42.31 54.69,42.13 U1000.1D21
  BOTTOM w0.089: v1(54.68,42.32) 54.26,41.89 52.93,41.89 52.04,41.01 51.53,41.01
  BOTTOM w0.127: 51.53,41.01 50.26,41.01
GMAC_RXD0_M1/LCDC_D9: length 4.4
  TOP w0.089: U1000.1K23 53.56,45 53.56,45.31 v1(53.55,45.32)
  BOTTOM w0.089: 51.4,45.45 53.42,45.45 v1(53.55,45.32)
  BOTTOM w0.127: 51.4,45.45 51,45.45 50.49,45.96 49.75,45.96
GMAC_RXD1_M1/LCDC_D10: length 3.8
  TOP w0.089: v1(53.55,44.32) 53.56,44.31 53.56,44 U1000.1H23
  BOTTOM w0.089: v1(53.55,44.32) 52.43,44.32 52.04,43.93 51.4,43.93
  BOTTOM w0.127: 51.4,43.93 50.26,43.93
GMAC_RXD2_M1/LCDC_D19: length 14.5
  TOP w0.089: 50.88,41.72 52.01,41.72 52.26,41.97 U1000.G31
  TOP w0.097: 50.88,41.72 50.63,41.72 49.28,40.37 48.73,40.37
  TOP w0.127: 39.08,40.37 48.73,40.37
GMAC_RXD3_M1/LCDC_D20: length 14.7
  TOP w0.089: 52.22,41.65 52.35,41.79 52.69,41.79 52.93,41.55 U1000.F31
  TOP w0.097: 52.22,41.65 52.05,41.49 50.75,41.49 49.25,39.99 48.73,39.99